# Altium PCB ER100_Driver.PcbDoc (part 1 of 2)
Units mm, origin at the board's own origin, x right, y up, seen from the top; angles counter-clockwise.
Board outline 131.32 x 89.41 mm, 4 copper layers (Top Layer, MidLayer1, MidLayer2, Bottom Layer); 69 components, 74 nets, 544 pads, 542 vias.
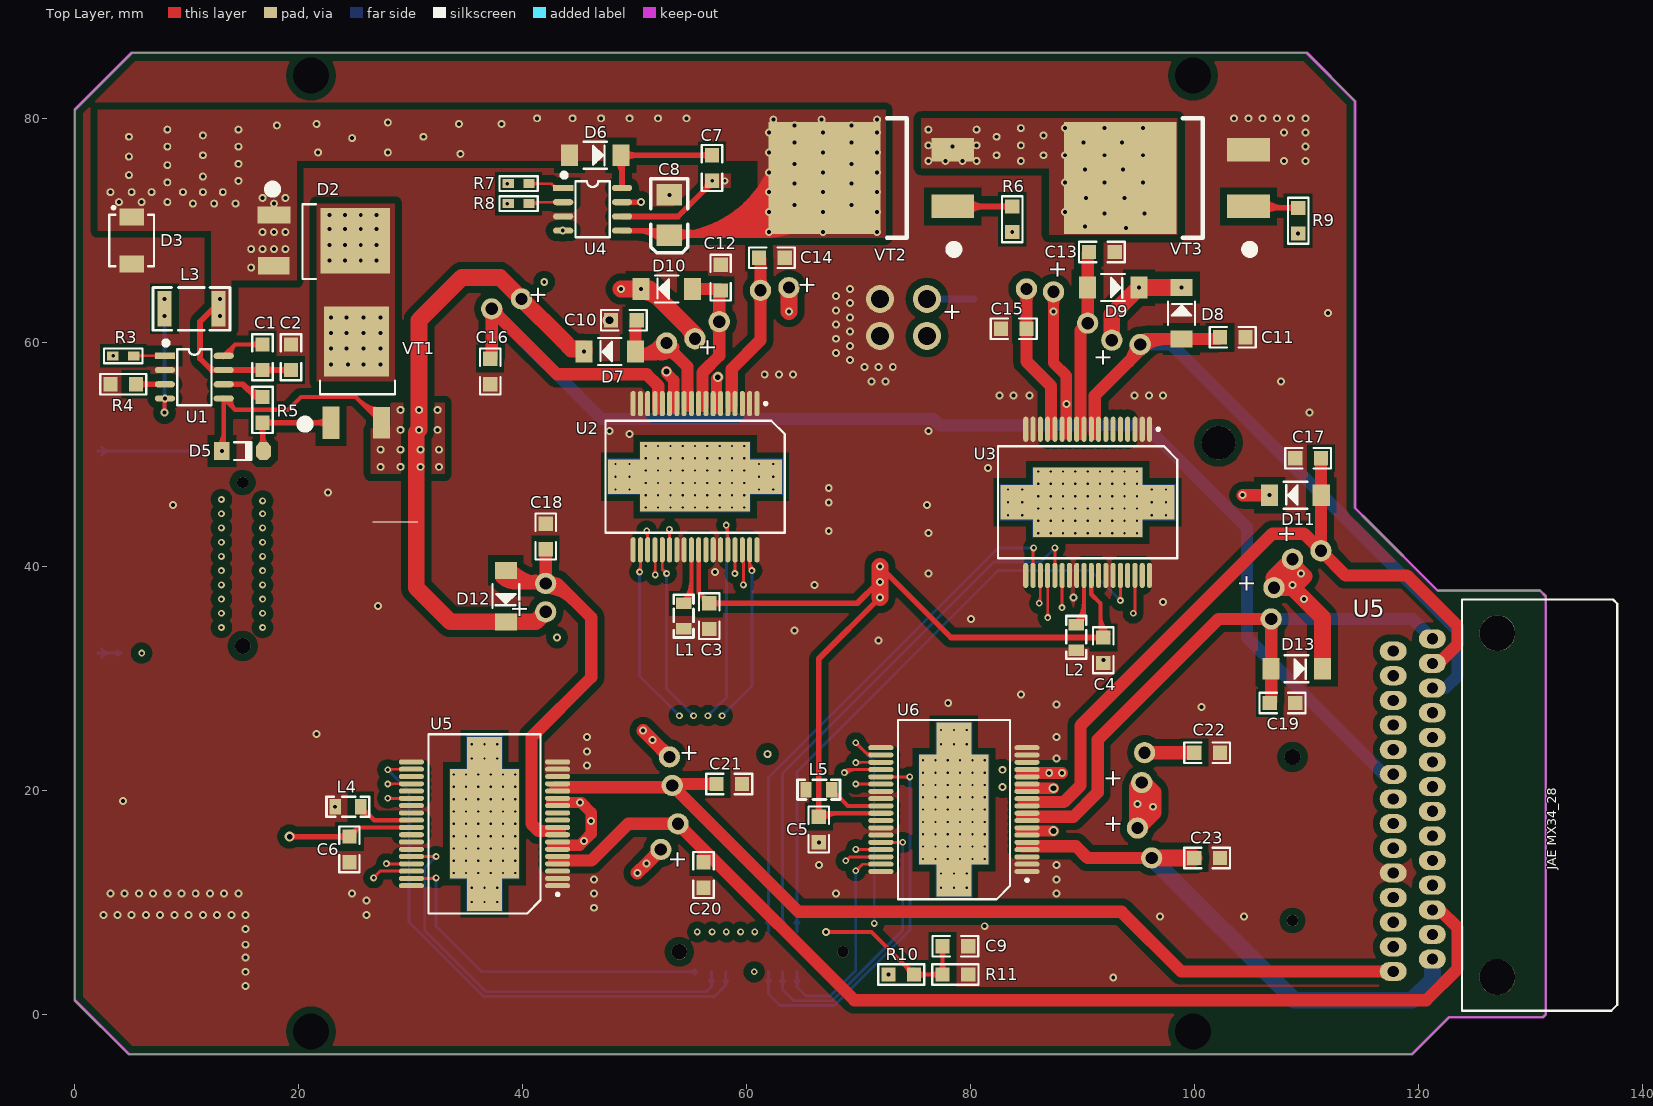
[diagram p0: Top Layer view]
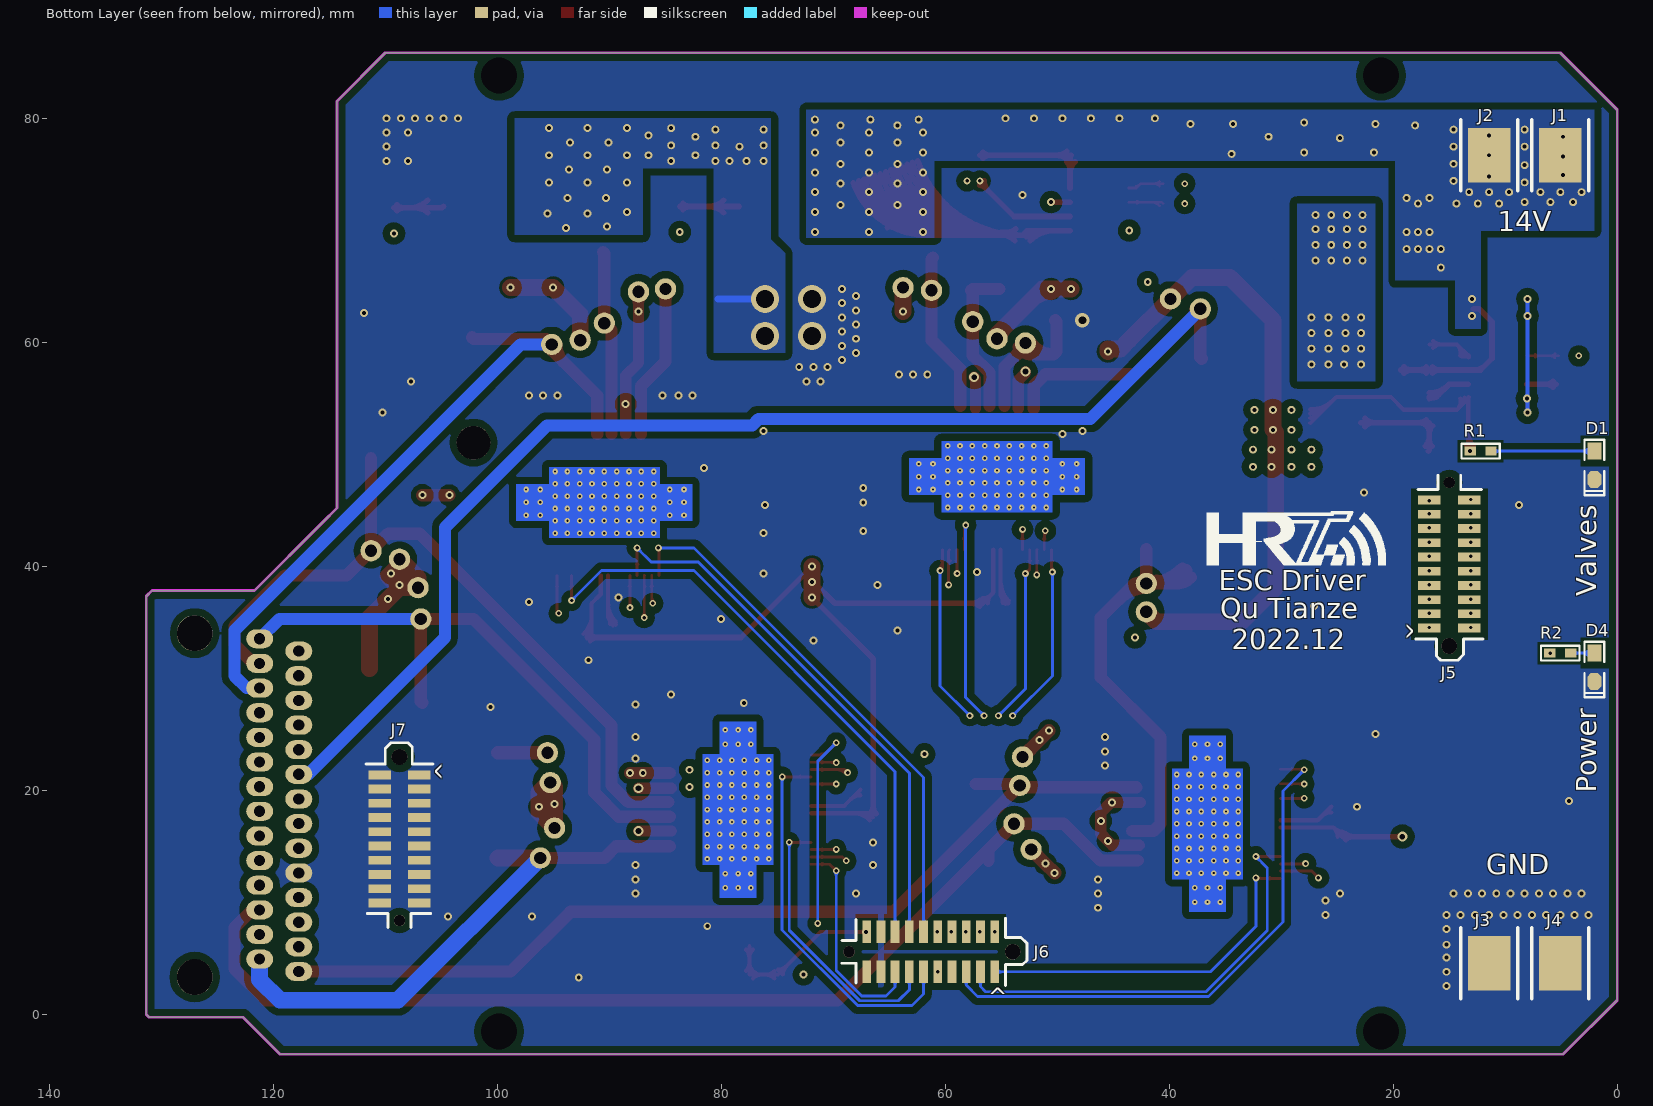
[diagram p1: Bottom Layer view, seen from below]
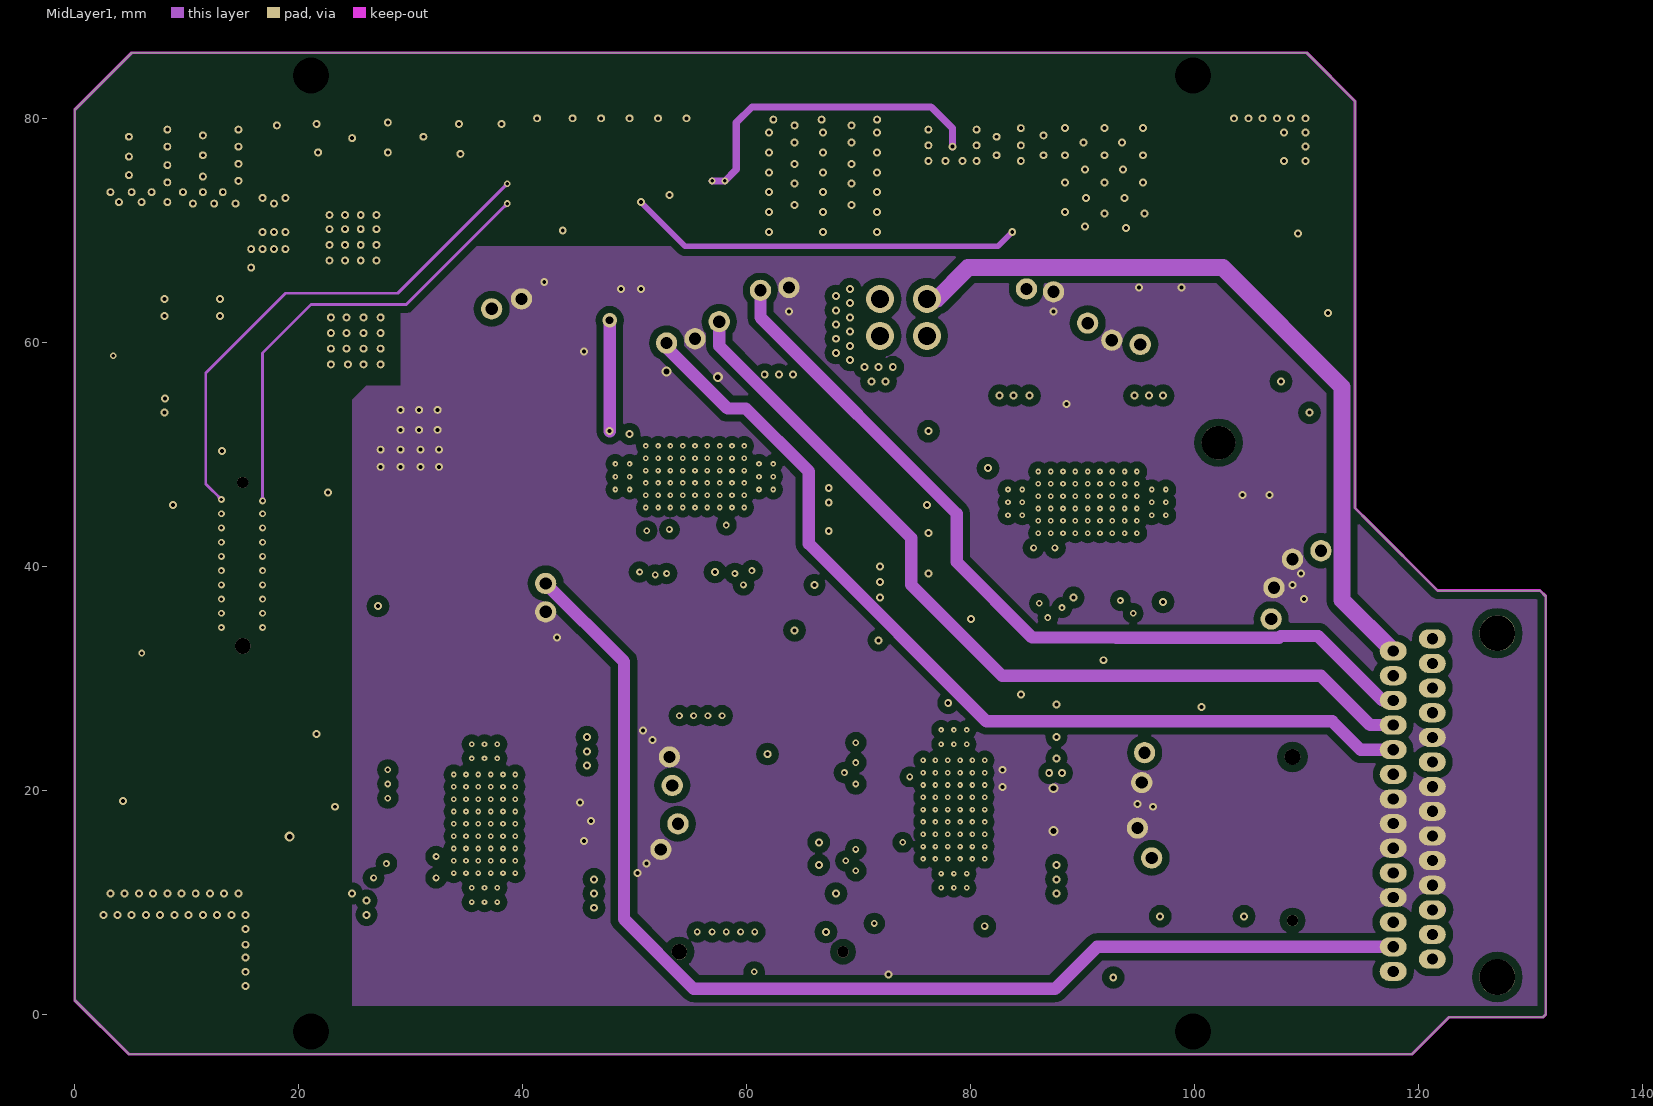
[diagram p2: MidLayer1]
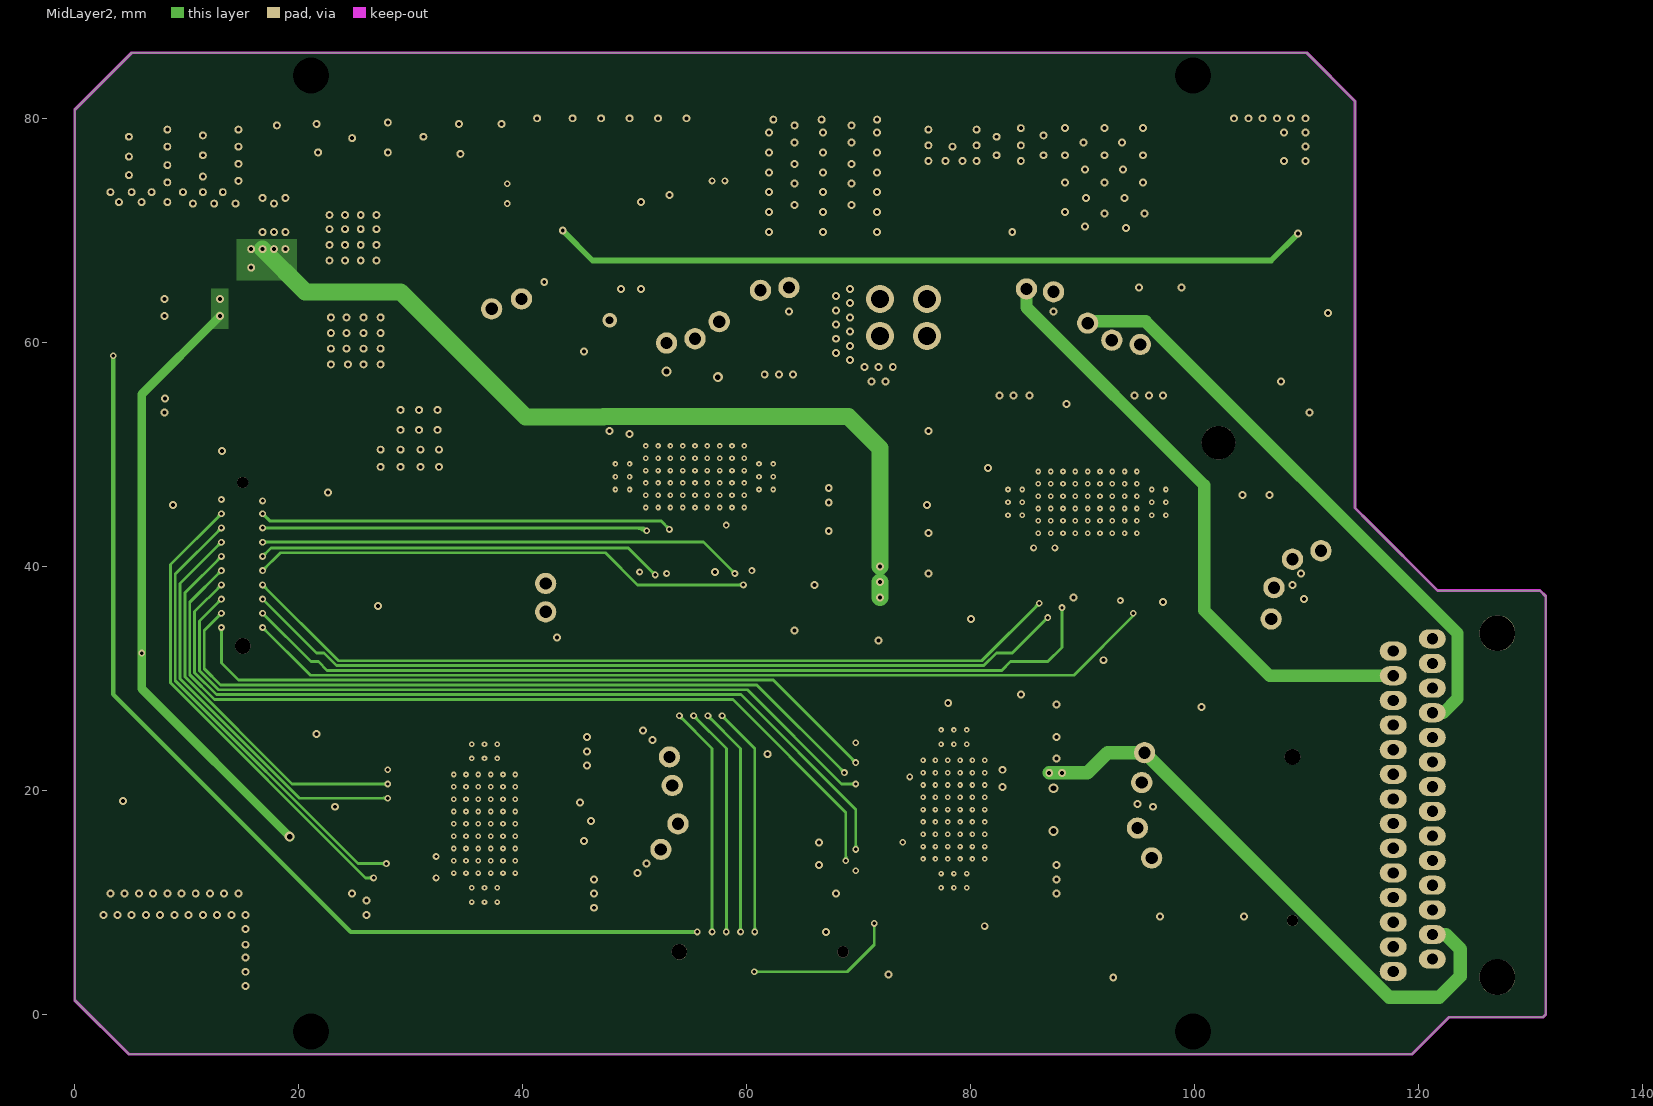
[diagram p3: MidLayer2]
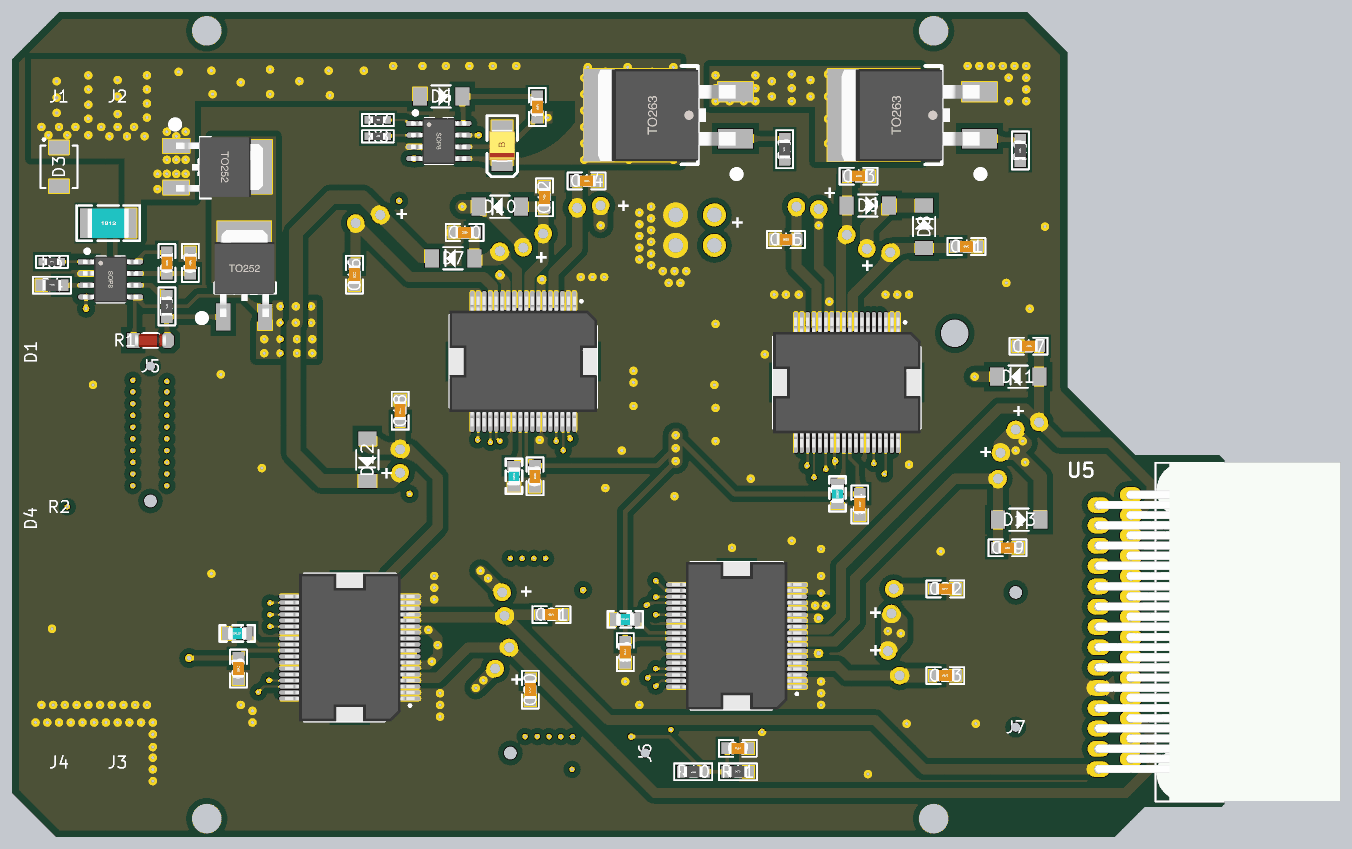
[diagram p5: 3D render of the assembled board from above, using the file's embedded part models]
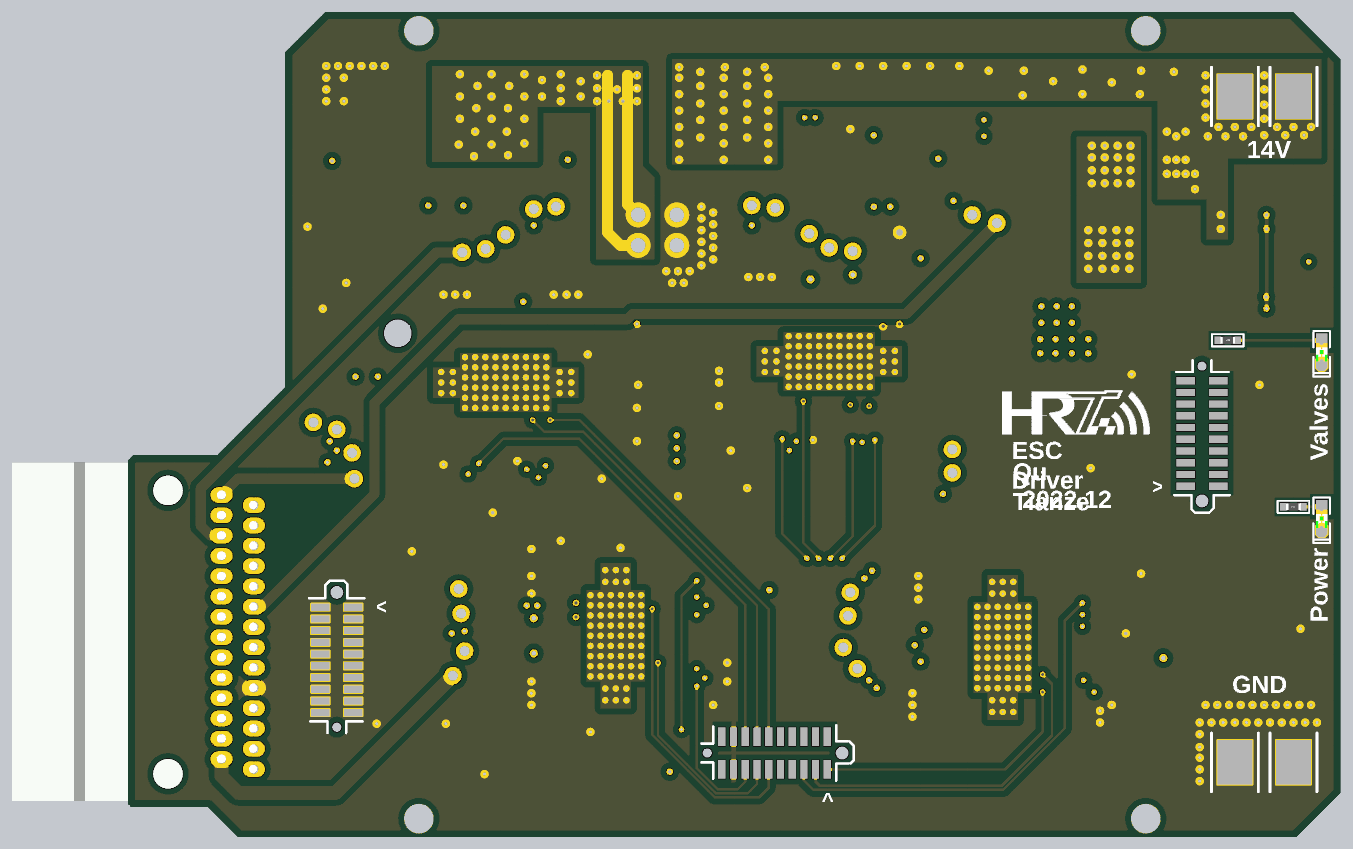
[diagram p6: 3D render of the assembled board from below, using the file's embedded part models]

## Layer stack, top to bottom
Top Solder: solder mask 0.0102, Solder Resist, Dk 3.5
Top Layer: signal copper 0.0356
Dielectric1: core 0.32, FR-4, Dk 4.8
MidLayer1: signal copper 0.0356
Dielectric2: prepreg 0.32, FR-4, Dk 4.8
MidLayer2: signal copper 0.0356
Dielectric3: core 0.32, FR-4, Dk 4.8
Bottom Layer: signal copper 0.0356
Bottom Solder: solder mask 0.0102, Solder Resist, Dk 3.5

## Board outline
0,1.27 0,80.772 5.08,85.852 109.982,85.852 114.3,81.534 114.3,45.212 115.57,43.942 121.666,37.846 130.81,37.846 131.318,37.338 131.318,0 131.064,-0.254 122.682,-0.254 119.38,-3.556 4.826,-3.556

## Design rules (kind name [scope] priority, off if disabled: settings)
Clearance Clearance_InP [InPolygon] p1: gap=0.635
Clearance Clearance_1 [All] p2: gap=0.178
HoleSize [All] p1: absolutevalues=TRUE maxlimit=5.08 minlimit=0.025 maxpercent=80.000 minpercent=20.000
MinimumSolderMaskSliver [All] p1: minsoldermaskwidth=0.051
PlaneClearance [All] p1: clearance=0.635
PolygonConnect PolygonConnect_4 [IsPad vs InNet('NetD2_2')] p1: connectstyle=Direct reliefconductorwidth=0.254 reliefentries=4 polygonreliefangle="90 Angle" airgapwidth=0.254
PolygonConnect PolygonConnect_3 [IsPad vs InNet('VALVES+')] p2: connectstyle=Direct reliefconductorwidth=0.254 reliefentries=4 polygonreliefangle="90 Angle" airgapwidth=0.254
PolygonConnect PolygonConnect_2 [IsPad vs InNet('VCC_14V')] p3: connectstyle=Direct reliefconductorwidth=0.254 reliefentries=4 polygonreliefangle="90 Angle" airgapwidth=0.254
PolygonConnect PolygonConnect_1 [IsPad vs InNet('P_GND')] p4: connectstyle=Direct reliefconductorwidth=0.254 reliefentries=4 polygonreliefangle="90 Angle" airgapwidth=0.254
PolygonConnect [All] p5: connectstyle=Direct reliefconductorwidth=0.635 reliefentries=4 polygonreliefangle="90 Angle" airgapwidth=0.305
RoutingVias [All] p1: holewidth=0.711 width=1.27 viastyle="Through Hole" minholewidth=0.127 minwidth=0.381 maxholewidth=0.711 maxwidth=1.27
SilkToSilkClearance [All] p1: silktosilkclearance=0.025
SilkToSolderMaskClearance [IsPad] p1: minsilkscreentomaskgap=0.025 clearancetoexposedcopper=TRUE
SolderMaskExpansion [All] p1: expansion=0.102
Width [All] p1: maxlimit=7.62 minlimit=0.254 preferedwidth=0.254
25 further rules are at their usual default settings.

## Components (designator, comment, footprint, x,y, rotation, side; value= is the part's Value field where it differs from the comment)
C1 "50V 104" "C 0805" 16.764,58.674 r270 top
C2 "10uF" "C 0805" 19.304,58.674 r270 top
C3 "10uF" "C 0805" 56.642,35.56 r270 top
C4 "10uF" "C 0805" 91.821,32.512 r270 top
C5 "10uF" "C 0805" 66.421,16.51 r270 top
C6 "10uF" "C 0805" 24.511,14.732 r270 top
C7 "50V 10uF" "C 0805" 56.896,75.565 r270 top
C8 "25V 10uF" "CP 3528B" 53.086,71.374 r90 top
C9 "104" "C 0805" 78.613,6.096 r180 top
C10 "2.2uF" "C 0805" 49.022,61.976 r180 top
C11 "2.2uF" "C 0805" 103.378,60.452 r180 top
C12 "2.2uF" "C 0805" 57.658,65.786 r90 top
C13 "2.2uF" "C 0805" 91.694,68.072 r180 top
C14 "2.2uF" "C 0805" 62.23,67.564 r0 top
C15 "2.2uF" "C 0805" 83.82,61.214 r0 top
C16 "2.2uF" "C 0805" 37.084,57.404 r270 top
C17 "2.2uF" "C 0805" 110.109,49.657 r0 top
C18 "2.2uF" "C 0805" 42.037,42.672 r90 top
C19 "2.2uF" "C 0805" 107.823,27.813 r180 top
C20 "2.2uF" "C 0805" 56.134,12.446 r270 top
C21 "2.2uF" "C 0805" 58.42,20.574 r0 top
C22 "2.2uF" "C 0805" 101.092,23.368 r0 top
C23 "2.2uF" "C 0805" 101.092,13.97 r0 top
D1 "Orange" LED_0805 2.032,49.022 r270 bottom
D2 "V40PWM45C" TO252_DIO 20.828,69.088 r270 top
D3 "P6SMB18" DO-214AA 5.08,69.088 r90 top
D4 "Blue" LED_0805 2.032,30.988 r270 bottom
D5 "18V" LL34 14.986,50.292 r0 top
D6 "ES1B-E3/61T" DO-214AC 46.482,76.708 r0 top
D7 "120T3G" DO-214AC 47.752,59.182 r180 top
D8 "120T3G" DO-214AC 98.806,62.611 r90 top
D9 "120T3G" DO-214AC 92.71,64.897 r0 top
D10 "120T3G" DO-214AC 52.832,64.77 r180 top
D11 "120T3G" DO-214AC 108.966,46.355 r180 top
D12 "120T3G" DO-214AC 38.481,37.338 r270 top
D13 "120T3G" DO-214AC 109.093,30.861 r0 top
J1 "SMT_Connector" SMT_Connector 5.08,76.708 r180 bottom
J2 "SMT_Connector" SMT_Connector 11.43,76.708 r180 bottom
J3 "SMT_Connector" SMT_Connector 11.43,4.572 r180 bottom
J4 "SMT_Connector" SMT_Connector 5.08,4.572 r180 bottom
J5 "20P_Female" B2B_1.27_Female 14.986,47.498 r0 bottom
J6 "20P_Female" B2B_1.27_Female 68.58,5.588 r270 bottom
J7 "20P_Female" B2B_1.27_Female 108.712,8.382 r180 bottom
L1 "Inductor" "L 0805" 54.356,35.56 r270 top
L2 "Inductor" "L 0805" 89.408,33.655 r270 top
L3 "100uH" "L 1812" 10.414,62.992 r0 top
L4 "Inductor" "L 0805" 24.384,18.542 r180 top
L5 "Inductor" "L 0805" 66.421,20.066 r180 top
R1 "10K" "R 0603" 12.192,50.292 r180 bottom
R2 "10K" "R 0603" 5.08,32.258 r0 bottom
R3 "1K" "R 0603" 4.318,58.801 r0 top
R4 "6.8R@Ipeak=167mA" "R 0805" 4.318,56.261 r0 top
R5 "330R" "R 0805" 16.764,53.975 r270 top
R6 "10R" "R 0805" 83.693,70.993 r90 top
R7 "1K" "R 0603" 39.624,74.168 r0 top
R8 "1K" "R 0603" 39.624,72.39 r0 top
R9 "10R" "R 0805" 109.22,70.866 r90 top
R10 "10K" "R 0805" 73.787,3.556 r180 top
R11 "2.2K" "R 0805" 78.613,3.556 r0 top
U1 "AUIR3241S" SOP8 10.668,56.896 r0 top
U2 "L9348" PowerSO-36 55.372,48.006 r180 top
U3 "L9348" PowerSO-36 90.424,45.72 r180 top
U4 "IR2184" SOP8 46.228,71.882 r0 top
U5 "L9348" PowerSO-36 36.576,17.018 r90 top
U5 "MX34_28" mx34_28 121.2,4.936 r180 top
U6 "L9348" PowerSO-36 78.486,18.288 r90 top
VT1 "SQD40N06" TO252 25.146,55.88 r0 top
VT2 "STB170NF04" TO263-3B 72.644,74.676 r90 top
VT3 "STB170NF04" TO263-3B 99.06,74.676 r90 top
